# Altium PCB PMSM_Driver.PcbDoc (part 1 of 2)
Units mm, origin at the board's own origin, x right, y up, seen from the top; angles counter-clockwise.
Board outline 245.25 x 200.25 mm, 2 copper layers (Top Layer, Bottom Layer), stack 1.371 mm thick; 369 components, 141 nets, 782 pads, 0 vias.
Unrouted connection lines stored in the file: 623.
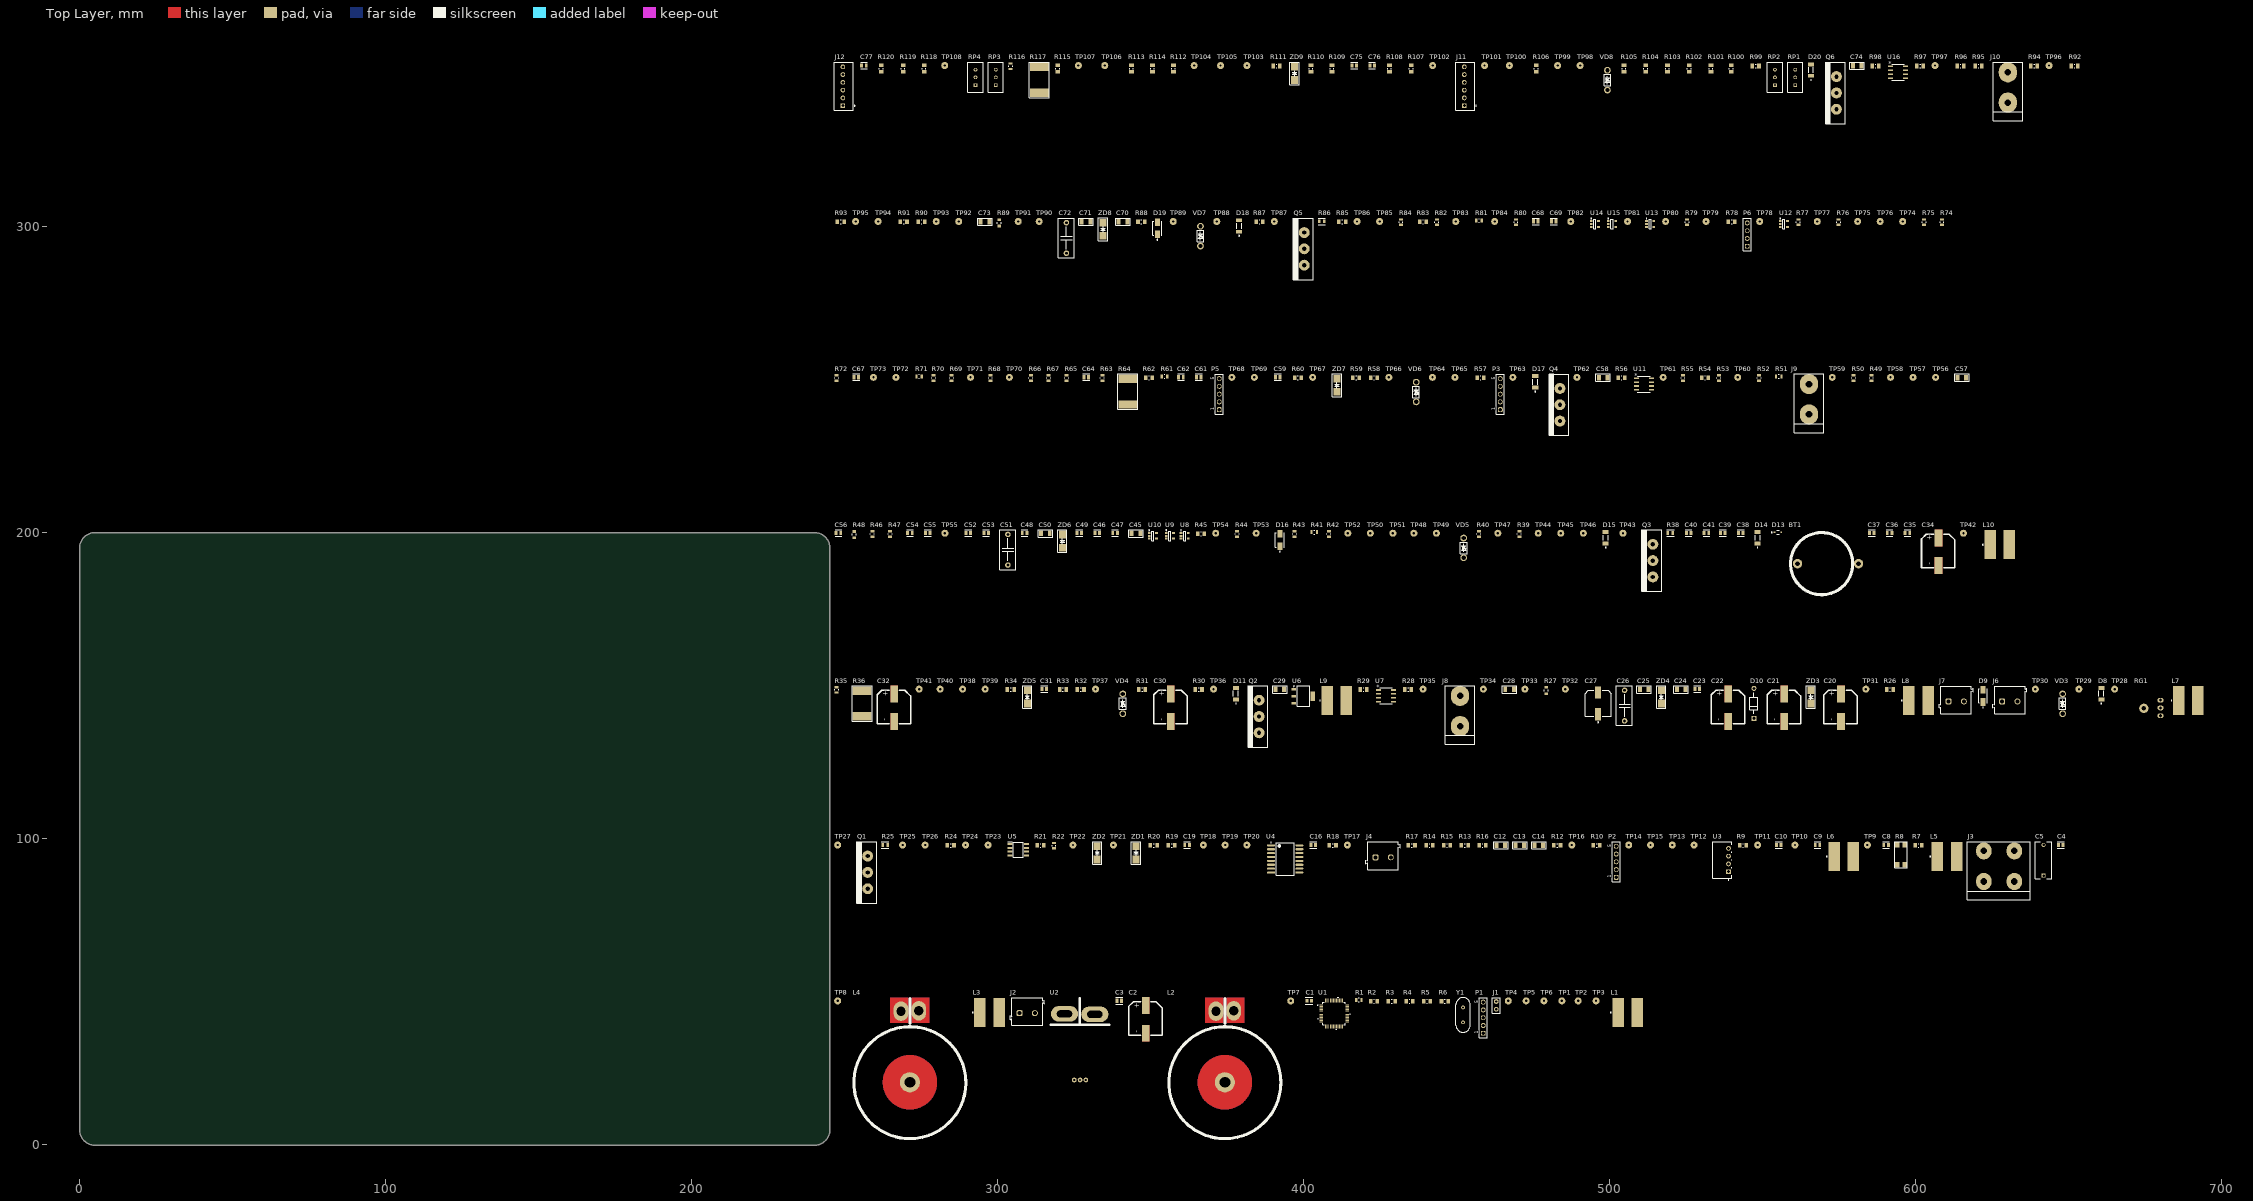
[diagram p0: Top Layer view]
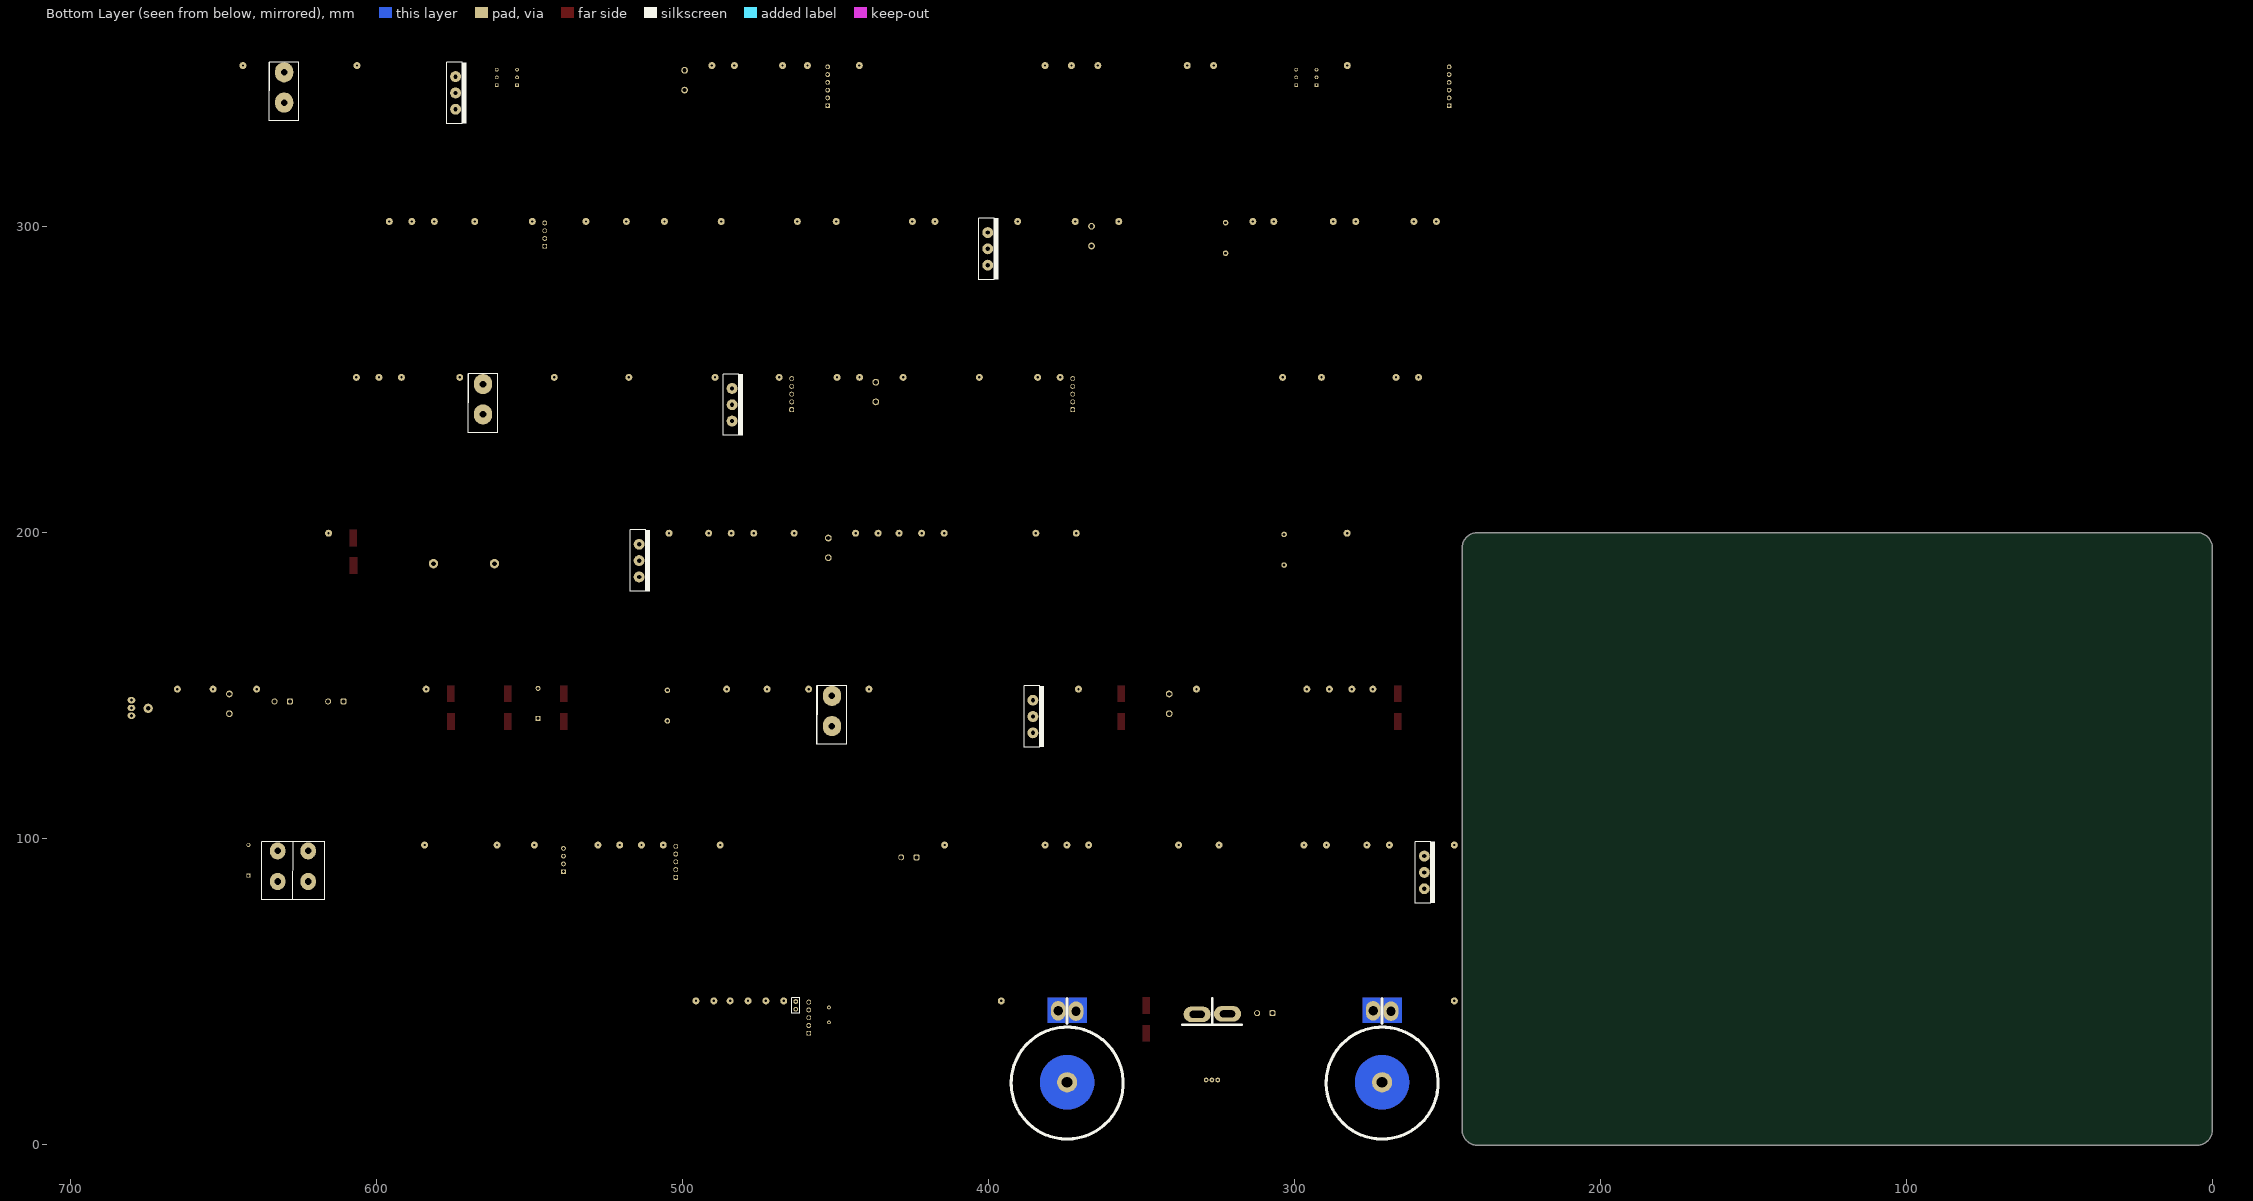
[diagram p1: Bottom Layer view, seen from below]

## Layer stack, top to bottom
Top Solder: solder mask 0.0102, Solder Resist, Dk 3.5
Top Layer: signal copper 0.0356
Dielectric 1: dielectric 1.3, FR-4, Dk 4.8
Bottom Layer: signal copper 0.0356
Bottom Solder: solder mask 0.0102, Solder Resist, Dk 3.5

## Board outline
-0.127,4.914 -0.127,4.968 cw(c5.003,5) -0.127,5 cw(c0,5) -0.127,5.005 -0.127,194.914 cw(c0,194.914) -0.12,194.957 cw(c0,195) -0.127,195 cw(c5,195) 5,200.127 cw(c5,200) 5.003,200.127 240.026,200.127 cw(c240.027,200) 240.027,200.127 cw(c240,195) 245.126,195.136 cw(c245,195.115) 245.127,195.115 245.127,5.115 cw(c245,5.115) 245.114,5.057 cw(c245,5) 245.127,5 cw(c240,5) 240,-0.127 cw(c240,0) 239.998,-0.127 5,-0.127 cw(c5,5) -0.126,4.899 cw(c0,4.914)

## Design rules (kind name [scope] priority, off if disabled: settings)
Clearance HV [InNetClass('All Nets') vs InNetClass('HV')] p1: gap=0.2 ignorepadtopadclearanceinfootprint=TRUE except(0: Text-Text Text-Hole; 0.4: THPad-THPad THPad-Via THPad-Fill THPad-Poly THPad-Region THPad-Text THPad-Hole Via-Via Via-Fill Via-Poly Via-Region Via-Text Via-Hole; 0.5: SMDPad-SMDPad SMDPad-THPad SMDPad-Via SMDPad-Fill SMDPad-Poly SMDPad-Region SMDPad-Text SMDPad-Hole Fill-Fill Fill-Poly Fill-Region Fill-Text Fill-Hole Poly-Poly Poly-Region Poly-Text Poly-Hole Region-Region Region-Text Region-Hole)
Clearance Clearance_1 [All] p2: gap=0.18 ignorepadtopadclearanceinfootprint=TRUE
Clearance GND [InNet('GND')] p3: gap=0.4 ignorepadtopadclearanceinfootprint=TRUE except(0.3: Text-Text Text-Hole)
ComponentClearance [All] p1: gap=-2.254 collisioncheckmode=3 verticalgap=0.254 showdistances=FALSE
DiffPairsRouting [All] p1: maxlimit=0.254 minlimit=0.1 mostfreqgap=0.254 toplayer_minwidth=0.3 toplayer_maxwidth=2 toplayer_prefwidth=0.3 bottomlayer_minwidth=0.3 bottomlayer_maxwidth=2 bottomlayer_prefwidth=0.3 maxuncoupledlength=12.7
Height [All] p1: minheight=0 maxheight=55.4 prefheight=12.7
HoleSize [All] p1: absolutevalues=TRUE maxlimit=5 minlimit=0.025 maxpercent=80.000 minpercent=20.000
HoleToHoleClearance [All] p1: gap=0 allowstackedmicrovias=TRUE
LayerPairs [All] p1 off: enforce=TRUE
MinimumSolderMaskSliver [All] p1: minsoldermaskwidth=0.01
PlaneClearance [All] p1: clearance=0.4
PlaneConnect [All] p1: planeconnectstyle=Direct reliefexpansion=0.508 reliefentries=4 reliefconductorwidth=0.254 reliefairgap=0.254
PolygonConnect [All] p1: connectstyle=Direct reliefconductorwidth=0.254 reliefentries=4 polygonreliefangle="90 Angle" airgapwidth=0.254
RoomDefinition PMSM_Driver [InComponentClass('PMSM_Driver')] p1: confinementstyle=ConfineIn formatcopy=TRUE lockcomponents=FALSE outline 246.269,1.281 694.449,1.281 694.449,356.66 246.269,356.66
RoutingCorners [All] p1: cornerstyle=45-Degree minsetback=0.2 maxsetback=0.2
RoutingVias [All] p1: holewidth=0.4 width=0.8 viastyle="Through Hole" minholewidth=0.254 minwidth=0.5 maxholewidth=0.75 maxwidth=1.5
ShortCircuit [All] p1: allowed=TRUE
SilkToSilkClearance [All] p1 off: silktosilkclearance=0.01
SilkToSolderMaskClearance [All] p1: minsilkscreentomaskgap=0 clearancetoexposedcopper=FALSE
SolderMaskExpansion [All] p1: expansion=0 istentingtop=FALSE
UnRoutedNet [All] p1: checkbadconnections=TRUE
Width [All] p1: maxlimit=10 minlimit=0.254 preferedwidth=2
16 further rules are at their usual default settings.

## Classes and differential pairs
net class HV: NetC24_1 NetC45_1 NetC70_1 NetJ1_1 NetJ2_1 NetJ3_2 NetR8_1 V_BAT V_PS

## Components (designator, comment, footprint, x,y, rotation, side; value= is the part's Value field where it differs from the comment)
BT1 "CR2032_BAT" CR2032_BAT 569.239,189.971 r0 top
C1 "16pF" FP-GRM21B-0_1-IPC_C 401.719,47.111 r0 top
C2 "1000uF_10V" 1000uF_10V_Size_F 348.329,41.011 r90 top
C3 "C0805C224K5RACTU" FP-C0805C-DN-MFG 339.689,47.111 r0 top value="0.22 μF"
C4 "16pF" FP-GRM21B-0_1-IPC_C 647.399,98.061 r0 top
C5 "ECQ-E2224JFW" FP-ECQ-E2224JFW-MFG 641.769,93.031 r90 top
C8 "C0805C224K5RACTU" FP-C0805C-DN-MFG 590.299,98.061 r0 top value="0.22 μF"
C9 "0.22 UF" FP-C0805C-DN-MFG 567.889,98.061 r0 top value="0.22 μF"
C10 "C0805C224K5RACTU" FP-C0805C-DN-MFG 555.199,98.061 r0 top value="0.22 μF"
C12 "1000pF" CAP-1206 464.379,97.931 r0 top
C13 "1000pF" CAP-1206 470.599,97.931 r0 top
C14 "1000pF" CAP-1206 476.819,97.931 r0 top
C16 "2.2uF" FP-C0805C-DN-MFG 403.119,98.061 r0 top value="0.22 μF"
C19 "2.2uF" FP-C0805C-DN-MFG 361.829,98.061 r0 top value="0.22 μF"
C20 "1000uF_10V" 1000uF_10V_Size_F 575.579,142.911 r90 top
C21 "1000uF_10V" 1000uF_10V_Size_F 557.039,142.911 r90 top
C22 "1000uF_10V" 1000uF_10V_Size_F 538.749,142.911 r90 top
C23 "C0805C224K5RACTU" FP-C0805C-DN-MFG 528.579,149.011 r0 top value="0.22 μF"
C24 "1000pF" CAP-1206 523.329,148.881 r0 top
C25 "CAP-NON-POLAR" CAP-1206 511.259,148.881 r0 top
C26 "CAP-NON-POLAR" "MKP 100nF 275VAC" 504.849,143.571 r90 top
C27 "EEE-1HA101UP" FP-SF-MFG 496.189,144.281 r90 top value=100uF
C28 "CAP-NON-POLAR" CAP-1206 467.259,148.881 r0 top
C29 "1000pF" CAP-1206 392.159,148.881 r0 top
C30 "1000uF_10V" 1000uF_10V_Size_F 356.539,142.911 r90 top
C31 "C0805C224K5RACTU" FP-C0805C-DN-MFG 315.159,149.011 r0 top value="0.22 μF"
C32 "1000uF_10V" 1000uF_10V_Size_F 266.159,142.911 r90 top
C34 "1000uF_10V" 1000uF_10V_Size_F 607.459,193.861 r90 top
C35 "C0805C224K5RACTU" FP-C0805C-DN-MFG 597.289,199.961 r0 top value="0.22 μF"
C36 "C0805C224K5RACTU" FP-C0805C-DN-MFG 591.449,199.961 r0 top value="0.22 μF"
C37 "C0805C224K5RACTU" FP-C0805C-DN-MFG 585.609,199.961 r0 top value="0.22 μF"
C38 "C0805C224K5RACTU" FP-C0805C-DN-MFG 542.769,199.961 r0 top value="0.22 μF"
C39 "C0805C224K5RACTU" FP-C0805C-DN-MFG 536.929,199.961 r0 top value="0.22 μF"
C40 "C0805C224K5RACTU" FP-C0805C-DN-MFG 525.759,199.961 r0 top value="0.22 μF"
C41 "C0805C224K5RACTU" FP-C0805C-DN-MFG 531.599,199.961 r0 top value="0.22 μF"
C45 "1000pF" CAP-1206 345.129,199.831 r0 top
C46 "C0805C224K5RACTU" FP-C0805C-DN-MFG 332.479,199.961 r0 top value="0.22 μF"
C47 "0.22uF" FP-C0805C-DN-MFG 338.319,199.961 r0 top value="0.22 μF"
C48 "C0805C224K5RACTU" FP-C0805C-DN-MFG 308.739,199.961 r0 top value="0.22 μF"
C49 "0.22uF" FP-C0805C-DN-MFG 326.639,199.961 r0 top value="0.22 μF"
C50 "CAP-NON-POLAR" CAP-1206 315.539,199.831 r0 top
C51 "CAP-NON-POLAR" "MKP 100nF 275VAC" 303.289,194.521 r90 top
C52 "C0805C224K5RACTU" FP-C0805C-DN-MFG 290.319,199.961 r0 top value="0.22 μF"
C53 "0.22uF" FP-C0805C-DN-MFG 296.159,199.961 r0 top value="0.22 μF"
C54 "C0805C224K5RACTU" FP-C0805C-DN-MFG 271.279,199.961 r0 top value="0.22 μF"
C55 "C0805C224K5RACTU" FP-C0805C-DN-MFG 277.119,199.961 r0 top value="0.22 μF"
C56 "C0805C224K5RACTU" FP-C0805C-DN-MFG 247.909,199.961 r0 top value="0.22 μF"
C57 "CAP-NON-POLAR" CAP-1206 615.069,250.78 r0 top
C58 "1000pF" CAP-1206 497.859,250.78 r0 top
C59 "C0805C224K5RACTU" FP-C0805C-DN-MFG 391.459,250.91 r0 top value="0.22 μF"
C61 "C0805C224K5RACTU" FP-C0805C-DN-MFG 365.689,250.91 r0 top value="0.22 μF"
C62 "C0805C224K5RACTU" FP-C0805C-DN-MFG 359.849,250.91 r0 top value="0.22 μF"
C64 "C0805C224K5RACTU" FP-C0805C-DN-MFG 328.919,250.91 r0 top value="0.22 μF"
C67 "C0805C224K5RACTU" FP-C0805C-DN-MFG 253.749,250.91 r0 top value="0.22 μF"
C68 "C0805C224K5RACTU" FP-C0805C-DN-MFG 475.819,301.86 r0 top value="0.22 μF"
C69 "2.2uF" FP-C0805C-DN-MFG 481.669,301.86 r0 top value="0.22 μF"
C70 "1000pF" CAP-1206 340.879,301.73 r0 top
C71 "CAP-NON-POLAR" CAP-1206 328.819,301.73 r0 top
C72 "CAP-NON-POLAR" "MKP 100nF 275VAC" 322.409,296.42 r90 top
C73 "CAP-NON-POLAR" CAP-1206 295.809,301.73 r0 top
C74 "1000pF" CAP-1206 580.869,352.68 r0 top
C75 "C0805C224K5RACTU" FP-C0805C-DN-MFG 416.469,352.81 r0 top value="0.22 μF"
C76 "C0805C224K5RACTU" FP-C0805C-DN-MFG 422.319,352.81 r0 top value="0.22 μF"
C77 "C0805C224K5RACTU" FP-C0805C-DN-MFG 256.229,352.81 r0 top value="0.22 μF"
D8 "LL4448-GS08" FP-6_560-5005_01-4-MFG 660.649,147.481 r90 top value=4pF
D9 "US1G-13-F" FP-SMA-MFG 621.979,146.751 r90 top value=20pF
D10 "BZX85C15-TAP" FP-6_561-5001_02-4-MFG 547.119,144.311 r90 top
D11 "LL4448-GS08" FP-6_560-5005_01-4-MFG 377.809,147.481 r90 top value=4pF
D13 "BZX384-C5V1,115" FP-SOD323-MFG 554.939,200.211 r0 top
D14 "LL4448-GS08" FP-6_560-5005_01-4-MFG 548.309,198.431 r90 top value=4pF
D15 "LL4448-GS08" FP-6_560-5005_01-4-MFG 498.659,198.431 r90 top value=4pF
D16 "US1G-13-F" FP-SMA-MFG 392.189,197.701 r90 top value=20pF
D17 "LL4448-GS08" FP-6_560-5005_01-4-MFG 475.629,249.38 r90 top value=4pF
D18 "LL4448-GS08" FP-6_560-5005_01-4-MFG 378.869,300.33 r90 top value=4pF
D19 "US1G-13-F" FP-SMA-MFG 352.139,299.6 r90 top value=20pF
D20 "LL4448-GS08" FP-6_560-5005_01-4-MFG 565.759,351.28 r90 top value=4pF
J1 "Jumper 1x2.54" Jumper_2.54 462.889,44.361 r90 top
J2 "691101710002" 691101710002 309.599,43.551 r0 top
J3 "TL-800" Conn_Tianli_T-800 627.249,91.101 r0 top
J4 "691101710002" 691101710002 425.919,94.501 r0 top
J6 "691101710002" 691101710002 630.739,145.451 r0 top
J7 "691101710002" 691101710002 613.219,145.451 r0 top
J8 "MG_136_HT" Conn_MEIGAN_MG136HT 451.069,139.401 r0 top
J9 "MG_136_HT" Conn_MEIGAN_MG136HT 565.109,241.3 r0 top
J10 "MG_136_HT" Conn_MEIGAN_MG136HT 630.109,343.2 r0 top
J11 "SWR25X-NRTC-S06-ST-BA" Sullins_SWR25X-NRTC-S06-ST-BA_MFG 452.749,346 r90 top
J12 "SWR25X-NRTC-S06-ST-BA" Sullins_SWR25X-NRTC-S06-ST-BA_MFG 249.649,346 r90 top
L1 "744776227" WE-PD2_1054 1775.846,1313.318 r0 top
L2 "Coil" Coil_drosel 384.359,15.001 r0 top
L3 "744776227" WE-PD2_1054 1567.277,1313.318 r0 top
L4 "Coil" Coil_drosel 281.419,15.001 r0 top
L5 "744776227" WE-PD2_1054 1880.206,1364.268 r0 top
L6 "744776227" WE-PD2_1054 1846.446,1364.268 r0 top
L7 "744776227" WE-PD2_1054 1959.096,1415.218 r0 top
L8 "744776227" WE-PD2_1054 1870.896,1415.218 r0 top
L9 "744776227" WE-PD2_1054 1680.777,1415.218 r0 top
L10 "744776227" WE-PD2_1054 1897.436,1466.168 r0 top
P1 "61300511121" 61300511121 458.639,41.571 r90 top
P2 "61300511121" 61300511121 502.099,92.521 r90 top
P3 "61300511121" 61300511121 464.219,245.37 r90 top
P5 "61300511121" 61300511121 372.379,245.37 r90 top
P6 "TSW-104-08-G-S" SMTC-TSW-104-08-X-S 544.939,293.7 r90 top
Q1 "F60N120T" TO-264-3 256.819,89.061 r90 top
Q2 "F60N120T" TO-264-3 384.729,140.011 r90 top
Q3 "F60N120T" TO-264-3 513.449,190.961 r90 top
Q4 "F60N120T" TO-264-3 483.059,241.91 r90 top
Q5 "F60N120T" TO-264-3 399.509,292.86 r90 top
Q6 "F60N120T" TO-264-3 573.439,343.81 r90 top
R1 "220" Yageo_RC0805_IPC_C 417.989,47.391 r0 top
R2 "220" Yageo_RC0805_IPC_A 422.969,46.931 r0 top
R3 "220" Yageo_RC0805_IPC_A 428.739,46.931 r0 top
R4 "220" Yageo_RC0805_IPC_A 434.519,46.931 r0 top
R5 "220" Yageo_RC0805_IPC_A 440.299,46.931 r0 top
R6 "220" Yageo_RC0805_IPC_A 446.079,46.931 r0 top
R7 "100 K" Yageo_RC0805_IPC_A 600.929,97.881 r0 top
R8 "4.7K" RES-2512 595.249,94.881 r90 top
R9 "10K" Yageo_RC0805_IPC_A 543.559,97.881 r0 top
R10 "47K" Yageo_RC0805_IPC_A 495.709,97.881 r0 top
R12 "10 K" Yageo_RC0805_IPC_A 482.819,97.881 r0 top
R13 "10 K" Yageo_RC0805_IPC_A 452.599,97.881 r0 top
R14 "10 K" Yageo_RC0805_IPC_A 441.039,97.881 r0 top
R15 "10K" Yageo_RC0805_IPC_A 446.819,97.881 r0 top
R16 "10K" Yageo_RC0805_IPC_A 458.379,97.881 r0 top
R17 "1K" Yageo_RC0805_IPC_A 435.269,97.881 r0 top
R18 "100" Yageo_RC0805_IPC_A 409.449,97.881 r0 top
R19 "1K" Yageo_RC0805_IPC_A 356.799,97.881 r0 top
R20 "100" Yageo_RC0805_IPC_A 350.949,97.881 r0 top
R21 "220" Yageo_RC0805_IPC_A 313.939,97.881 r0 top
R22 "10K" Yageo_RC0805_IPC_C 318.359,97.781 r90 top
R24 "10 K" Yageo_RC0805_IPC_A 284.589,97.881 r0 top
R25 "10 OHM" FP-RT0805-IPC_C 263.179,98.061 r0 top value=10Ω
R26 "1K" Yageo_RC0805_IPC_A 591.549,148.831 r0 top
R27 "10 OHM" FP-RT0805-MFG 479.249,148.501 r90 top value=10Ω
R28 "10K" Yageo_RC0805_IPC_A 434.109,148.831 r0 top
R29 "10K" Yageo_RC0805_IPC_A 419.529,148.831 r0 top
R30 "10 OHM" Yageo_RC0805_IPC_A 365.649,148.831 r0 top
R31 "220" Yageo_RC0805_IPC_A 347.169,148.831 r0 top
R32 "10 OHM" Yageo_RC0805_IPC_A 327.079,148.831 r0 top
R33 "1K" Yageo_RC0805_IPC_A 321.239,148.831 r0 top
R34 "10 K" Yageo_RC0805_IPC_A 304.219,148.831 r0 top
R35 "1K" Yageo_RC0805_IPC_C 247.299,148.731 r90 top
R36 "RES-CONST" RES-3921 255.639,144.281 r90 top
R38 "10 OHM" FP-RT0805-IPC_C 519.809,199.961 r0 top value=10Ω
R39 "10K" Yageo_RC0805_IPC_C 470.419,199.681 r90 top
R40 "10K" Yageo_RC0805_IPC_C 457.219,199.681 r90 top
R41 "1K" Yageo_RC0805_IPC_C 403.409,200.241 r0 top
R42 "10K" Yageo_RC0805_IPC_C 408.179,199.681 r90 top
R43 "1K" Yageo_RC0805_IPC_C 397.009,199.681 r90 top
R44 "1K" Yageo_RC0805_IPC_C 378.219,199.681 r90 top
R45 "1K" Yageo_RC0805_IPC_A 366.359,199.781 r0 top
R46 "10K" Yageo_RC0805_IPC_C 258.989,199.681 r90 top
R47 "10K" Yageo_RC0805_IPC_C 264.829,199.681 r90 top
R48 "10 OHM" FP-RT0805-MFG 253.119,199.451 r90 top value=10Ω
R49 "10K" Yageo_RC0805_IPC_C 585.559,250.63 r90 top
R50 "10K" Yageo_RC0805_IPC_C 579.719,250.63 r90 top
R51 "10K" Yageo_RC0805_IPC_C 555.229,251.19 r0 top
R52 "10K" Yageo_RC0805_IPC_C 548.829,250.63 r90 top
R53 "10K" Yageo_RC0805_IPC_C 535.629,250.63 r90 top
R54 "10K" Yageo_RC0805_IPC_A 531.129,250.73 r0 top
R55 "10K" Yageo_RC0805_IPC_C 523.939,250.63 r90 top
R56 "10K" Yageo_RC0805_IPC_A 503.849,250.73 r0 top
R57 "10 OHM" Yageo_RC0805_IPC_A 457.759,250.73 r0 top
R58 "10 OHM" Yageo_RC0805_IPC_A 422.949,250.73 r0 top
R59 "1K" Yageo_RC0805_IPC_A 417.099,250.73 r0 top
R60 "33K" Yageo_RC0805_IPC_A 398.049,250.73 r0 top
R61 "10K" Yageo_RC0805_IPC_C 354.469,251.19 r0 top
R62 "33K" Yageo_RC0805_IPC_A 349.419,250.73 r0 top
R63 "1K" Yageo_RC0805_IPC_C 334.149,250.63 r90 top
R64 "RES-CONST" RES-3921 342.489,246.18 r90 top
R65 "10K" Yageo_RC0805_IPC_C 322.469,250.63 r90 top
R66 "100K" Yageo_RC0805_IPC_C 310.789,250.63 r90 top
R67 "10K" Yageo_RC0805_IPC_C 316.629,250.63 r90 top
R68 "100K" Yageo_RC0805_IPC_C 297.589,250.63 r90 top
R69 "100K" Yageo_RC0805_IPC_C 284.889,250.63 r90 top
R70 "100K" Yageo_RC0805_IPC_C 279.049,250.63 r90 top
R71 "100K" Yageo_RC0805_IPC_C 274.269,251.19 r0 top
R72 "100K" Yageo_RC0805_IPC_C 247.299,250.63 r90 top
R74 "100K" Yageo_RC0805_IPC_C 608.589,301.58 r90 top
R75 "10K" Yageo_RC0805_IPC_C 602.749,301.58 r90 top
R76 "10K" Yageo_RC0805_IPC_C 574.809,301.58 r90 top
R77 "100K" Yageo_RC0805_IPC_C 561.609,301.58 r90 top
R78 "33K" Yageo_RC0805_IPC_A 539.829,301.68 r0 top
R79 "1K" Yageo_RC0805_IPC_C 525.269,301.58 r90 top
R80 "1K" Yageo_RC0805_IPC_C 469.369,301.58 r90 top
R81 "1K" Yageo_RC0805_IPC_C 457.239,302.14 r0 top
R82 "10K" Yageo_RC0805_IPC_C 443.469,301.58 r90 top
R83 "33K" Yageo_RC0805_IPC_A 438.979,301.68 r0 top
R84 "100K" Yageo_RC0805_IPC_C 431.779,301.58 r90 top
R85 "33K" Yageo_RC0805_IPC_A 412.559,301.68 r0 top
R86 "10 OHM" FP-RT0805-IPC_C 405.879,301.86 r0 top value=10Ω
R87 "33K" Yageo_RC0805_IPC_A 385.509,301.68 r0 top
R88 "1K" Yageo_RC0805_IPC_A 346.879,301.68 r0 top
R89 "10 OHM" FP-RT0805-MFG 300.429,301.35 r90 top value=10Ω
R90 "RC0805FR-07100KL" Yageo_RC0805_IPC_A 275.009,301.68 r0 top
R91 "RC0805FR-07100KL" Yageo_RC0805_IPC_A 269.229,301.68 r0 top
R92 "RC0805FR-07100KL" Yageo_RC0805_IPC_A 651.919,352.63 r0 top
R93 "RC0805FR-07100KL" Yageo_RC0805_IPC_A 248.659,301.68 r0 top
R94 "33K" Yageo_RC0805_IPC_A 638.709,352.63 r0 top
R95 "RC0805FR-07100KL" Yageo_RC0805_IPC_A 620.509,352.63 r0 top
R96 "RC0805FR-07100KL" Yageo_RC0805_IPC_A 614.659,352.63 r0 top
R97 "10K" Yageo_RC0805_IPC_A 601.449,352.63 r0 top
R98 "10K" Yageo_RC0805_IPC_A 586.869,352.63 r0 top
R99 "RC0805FR-07100KL" Yageo_RC0805_IPC_A 547.699,352.63 r0 top
R100 "RC0805FR-07100KL" Yageo_RC0805_IPC_A 539.699,351.74 r90 top
R101 "RC0805FR-07100KL" Yageo_RC0805_IPC_A 533.089,351.74 r90 top
R102 "RC0805FR-07100KL" Yageo_RC0805_IPC_A 525.979,351.74 r90 top
R103 "10 OHM" Yageo_RC0805_IPC_A 518.869,351.74 r90 top
R104 "33K" Yageo_RC0805_IPC_A 511.759,351.74 r90 top
R105 "RC0805FR-07100KL" Yageo_RC0805_IPC_A 504.649,351.74 r90 top
R106 "RC0805FR-07100KL" Yageo_RC0805_IPC_A 475.939,351.74 r90 top
R107 "10 OHM" Yageo_RC0805_IPC_A 435.109,351.74 r90 top
R108 "1K" Yageo_RC0805_IPC_A 427.999,351.74 r90 top
R109 "RC0805FR-07100KL" Yageo_RC0805_IPC_A 409.209,351.74 r90 top
R110 "RC0805FR-07100KL" Yageo_RC0805_IPC_A 402.359,351.74 r90 top
R111 "RC0805FR-07100KL" Yageo_RC0805_IPC_A 391.059,352.63 r0 top
R112 "RC0805FR-07100KL" Yageo_RC0805_IPC_A 357.399,351.74 r90 top
R113 "RC0805FR-07100KL" Yageo_RC0805_IPC_A 343.689,351.74 r90 top
R114 "33K" Yageo_RC0805_IPC_A 350.549,351.74 r90 top
R115 "RC0805FR-07100KL" Yageo_RC0805_IPC_A 319.569,351.74 r90 top
R116 "1K" Yageo_RC0805_IPC_C 304.179,352.53 r90 top
R117 "RES-CONST" RES-3921 313.539,348.08 r90 top
R118 "33K" Yageo_RC0805_IPC_A 275.889,351.74 r90 top
R119 "RC0805FR-07100KL" Yageo_RC0805_IPC_A 269.029,351.74 r90 top
R120 "RC0805FR-07100KL" Yageo_RC0805_IPC_A 261.919,351.74 r90 top
RG1 "Reg_Fairchild_LM7805CT_eec" TO-220(bend_rad) 669.849,142.431 r90 top
RP1 "10k" Bourns_3296W_MFG 560.609,348.89 r0 top
RP2 "10k" Bourns_3296W_MFG 553.979,348.89 r0 top
RP3 "10k" Bourns_3296W_MFG 299.329,348.89 r0 top
RP4 "10k" Bourns_3296W_MFG 292.699,348.89 r0 top
TP1 "Test_Point_PCB" Test_Point 484.339,47.061 r0 top
TP2 "Test_Point_PCB" Test_Point 489.669,47.061 r0 top
TP3 "Test_Point_PCB" Test_Point 495.509,47.061 r0 top
TP4 "Test_Point_PCB" Test_Point 466.819,47.061 r0 top
TP5 "Test_Point_PCB" Test_Point 472.659,47.061 r0 top
TP6 "Test_Point_PCB" Test_Point 478.499,47.061 r0 top
TP7 "Test_Point_PCB" Test_Point 395.729,47.061 r0 top
TP8 "Test_Point_PCB" Test_Point 247.659,47.061 r0 top
TP9 "Test_Point_PCB" Test_Point 584.199,98.011 r0 top
TP10 "Test_Point_PCB" Test_Point 560.529,98.011 r90 top
TP11 "Test_Point_PCB" Test_Point 548.339,98.011 r90 top
TP12 "Test_Point_PCB" Test_Point 527.529,98.011 r90 top
TP13 "Test_Point_PCB" Test_Point 520.419,98.011 r90 top
TP14 "Test_Point_PCB" Test_Point 506.199,98.011 r90 top
TP15 "Test_Point_PCB" Test_Point 513.309,98.011 r90 top
TP16 "Test_Point_PCB" Test_Point 487.599,98.011 r90 top
TP17 "Test_Point_PCB" Test_Point 414.229,98.011 r90 top
TP18 "Test_Point_PCB" Test_Point 367.159,98.011 r90 top
TP19 "Test_Point_PCB" Test_Point 374.279,98.011 r90 top
TP20 "Test_Point_PCB" Test_Point 381.389,98.011 r90 top
TP21 "Test_Point_PCB" Test_Point 337.759,98.011 r90 top
TP22 "Test_Point_PCB" Test_Point 324.559,98.011 r90 top
TP23 "Test_Point_PCB" Test_Point 296.809,98.011 r90 top
TP24 "Test_Point_PCB" Test_Point 289.439,98.011 r90 top
TP25 "Test_Point_PCB" Test_Point 268.869,98.011 r90 top
TP26 "Test_Point_PCB" Test_Point 276.229,98.011 r90 top
TP27 "Test_Point_PCB" Test_Point 247.659,98.011 r90 top
TP28 "Test_Point_PCB" Test_Point 665.009,148.961 r90 top
TP29 "Test_Point_PCB" Test_Point 653.329,148.961 r90 top
TP30 "Test_Point_PCB" Test_Point 639.089,148.961 r90 top
TP31 "Test_Point_PCB" Test_Point 583.699,148.961 r90 top
TP32 "Test_Point_PCB" Test_Point 485.469,148.961 r90 top
TP33 "Test_Point_PCB" Test_Point 472.269,148.961 r90 top
TP34 "Test_Point_PCB" Test_Point 458.679,148.961 r90 top
TP35 "Test_Point_PCB" Test_Point 438.959,148.961 r90 top
TP36 "Test_Point_PCB" Test_Point 370.499,148.961 r90 top
TP37 "Test_Point_PCB" Test_Point 331.929,148.961 r90 top
TP38 "Test_Point_PCB" Test_Point 288.489,148.961 r90 top
TP39 "Test_Point_PCB" Test_Point 295.859,148.961 r90 top
TP40 "Test_Point_PCB" Test_Point 281.129,148.961 r90 top
TP41 "Test_Point_PCB" Test_Point 274.269,148.961 r90 top
TP42 "Test_Point_PCB" Test_Point 615.579,199.911 r90 top
TP43 "Test_Point_PCB" Test_Point 504.299,199.911 r90 top
TP44 "Test_Point_PCB" Test_Point 476.619,199.911 r90 top
TP45 "Test_Point_PCB" Test_Point 483.979,199.911 r90 top
TP46 "Test_Point_PCB" Test_Point 491.349,199.911 r90 top
TP47 "Test_Point_PCB" Test_Point 463.409,199.911 r90 top
TP48 "Test_Point_PCB" Test_Point 435.969,199.911 r90 top
TP49 "Test_Point_PCB" Test_Point 443.329,199.911 r90 top
TP50 "Test_Point_PCB" Test_Point 421.749,199.911 r90 top
TP51 "Test_Point_PCB" Test_Point 429.109,199.911 r90 top
TP52 "Test_Point_PCB" Test_Point 414.379,199.911 r90 top
TP53 "Test_Point_PCB" Test_Point 384.419,199.911 r90 top
TP54 "Test_Point_PCB" Test_Point 371.209,199.911 r90 top
TP55 "Test_Point_PCB" Test_Point 282.699,199.911 r90 top
TP56 "Test_Point_PCB" Test_Point 606.489,250.86 r90 top
TP57 "Test_Point_PCB" Test_Point 599.119,250.86 r90 top
TP58 "Test_Point_PCB" Test_Point 591.759,250.86 r90 top
TP59 "Test_Point_PCB" Test_Point 572.709,250.86 r90 top
TP60 "Test_Point_PCB" Test_Point 541.819,250.86 r90 top
TP61 "Test_Point_PCB" Test_Point 517.439,250.86 r90 top
TP62 "Test_Point_PCB" Test_Point 489.269,250.86 r90 top
TP63 "Test_Point_PCB" Test_Point 468.319,250.86 r90 top
TP64 "Test_Point_PCB" Test_Point 442.039,250.86 r90 top
TP65 "Test_Point_PCB" Test_Point 449.399,250.86 r90 top
TP66 "Test_Point_PCB" Test_Point 427.799,250.86 r90 top
TP67 "Test_Point_PCB" Test_Point 402.899,250.86 r90 top
TP68 "Test_Point_PCB" Test_Point 376.479,250.86 r90 top
TP69 "Test_Point_PCB" Test_Point 383.839,250.86 r90 top
TP70 "Test_Point_PCB" Test_Point 303.779,250.86 r90 top
TP71 "Test_Point_PCB" Test_Point 291.079,250.86 r90 top
TP72 "Test_Point_PCB" Test_Point 266.709,250.86 r90 top
TP73 "Test_Point_PCB" Test_Point 259.339,250.86 r90 top
TP74 "Test_Point_PCB" Test_Point 595.739,301.81 r90 top
TP75 "Test_Point_PCB" Test_Point 581.009,301.81 r90 top
TP76 "Test_Point_PCB" Test_Point 588.369,301.81 r90 top
TP77 "Test_Point_PCB" Test_Point 567.809,301.81 r90 top
TP78 "Test_Point_PCB" Test_Point 548.999,301.81 r90 top
TP79 "Test_Point_PCB" Test_Point 531.469,301.81 r90 top
TP80 "Test_Point_PCB" Test_Point 518.259,301.81 r90 top
TP81 "Test_Point_PCB" Test_Point 505.809,301.81 r90 top
TP82 "Test_Point_PCB" Test_Point 487.249,301.81 r90 top
TP83 "Test_Point_PCB" Test_Point 449.669,301.81 r90 top
TP84 "Test_Point_PCB" Test_Point 462.369,301.81 r90 top
TP85 "Test_Point_PCB" Test_Point 424.779,301.81 r90 top
TP86 "Test_Point_PCB" Test_Point 417.409,301.81 r90 top
TP87 "Test_Point_PCB" Test_Point 390.359,301.81 r90 top
TP88 "Test_Point_PCB" Test_Point 371.559,301.81 r90 top
TP89 "Test_Point_PCB" Test_Point 357.319,301.81 r90 top
TP90 "Test_Point_PCB" Test_Point 313.509,301.81 r90 top
TP91 "Test_Point_PCB" Test_Point 306.649,301.81 r90 top
TP92 "Test_Point_PCB" Test_Point 287.219,301.81 r90 top
TP93 "Test_Point_PCB" Test_Point 279.859,301.81 r90 top
TP94 "Test_Point_PCB" Test_Point 260.869,301.81 r90 top
TP95 "Test_Point_PCB" Test_Point 253.509,301.81 r90 top
TP96 "Test_Point_PCB" Test_Point 643.559,352.76 r90 top
TP97 "Test_Point_PCB" Test_Point 606.299,352.76 r90 top
TP98 "Test_Point_PCB" Test_Point 490.309,352.76 r90 top
TP99 "Test_Point_PCB" Test_Point 482.949,352.76 r90 top
TP100 "Test_Point_PCB" Test_Point 467.199,352.76 r90 top
TP101 "Test_Point_PCB" Test_Point 459.079,352.76 r90 top
TP102 "Test_Point_PCB" Test_Point 442.119,352.76 r90 top
TP103 "Test_Point_PCB" Test_Point 381.419,352.76 r90 top
TP104 "Test_Point_PCB" Test_Point 364.159,352.76 r90 top
TP105 "Test_Point_PCB" Test_Point 372.789,352.76 r90 top
TP106 "Test_Point_PCB" Test_Point 334.949,352.76 r90 top
TP107 "Test_Point_PCB" Test_Point 326.319,352.76 r90 top
TP108 "Test_Point_PCB" Test_Point 282.639,352.76 r90 top
U1 "STM32F303CCT6" LQFP48-7x7mm 409.899,42.941 r0 top
U2 "ACS758" ACS758-100 326.999,31.001 r0 top
U3 "B0505S-1WR3" FP-B0505S-1WR3-MFG 536.709,93.101 r90 top
U4 "ADUM1401BRWZ" ADI-RW-16_M 393.919,93.461 r0 top
U5 "MAX485ECSA+" SOIC127P600X175-8N 306.659,96.461 r0 top
U6 "LM1117MPX-3.3/NOPB" DCY0004A_L 399.829,146.641 r0 top
U7 "IR2181" SOIC8_INF-L 426.859,146.771 r0 top
U8 "MCP6001" SOT-23-5 361.059,199.071 r0 top
U9 "MCP6001" SOT-23-5 356.239,199.071 r0 top
U10 "MCP6001" SOT-23-5 350.649,199.071 r0 top
U11 "IR2181" SOIC8_INF-L 511.179,248.67 r0 top
U12 "MCP6001" SOT-23-5 556.889,300.97 r0 top
U13 "MCP6001" SOT-23-5 513.179,300.97 r0 top
U14 "MCP6001" SOT-23-5 495.129,300.97 r0 top
U15 "MCP6001" SOT-23-5 500.729,300.97 r0 top
U16 "IR2181" SOIC8_INF-L 594.199,350.57 r0 top
VD3 "DIODE" DO201AB 647.999,144.591 r90 top
VD4 "DIODE" DO201AB 340.849,144.591 r90 top
VD5 "DIODE" DO201AB 452.239,195.541 r90 top
VD6 "DIODE" DO201AB 436.709,246.49 r90 top
VD7 "DIODE" DO201AB 366.229,297.44 r90 top
VD8 "DIODE" DO201AB 499.219,348.39 r90 top
Y1 "FOXSLF/120-20" FOX-FOXSLF-2_V 452.049,42.481 r90 top
ZD1 "P6SMB16CA" DO-214AA 345.179,95.441 r90 top
ZD2 "P6SMB16CA" DO-214AA 332.479,95.441 r90 top
ZD3 "P6SMB16CA" DO-214AA 565.719,146.391 r90 top
ZD4 "P6SMB16CA" DO-214AA 516.829,146.391 r90 top
ZD5 "P6SMB16CA" DO-214AA 309.629,146.391 r90 top
ZD6 "P6SMB16CA" DO-214AA 321.099,197.341 r90 top
ZD7 "P6SMB16CA" DO-214AA 410.819,248.29 r90 top
ZD8 "P6SMB16CA" DO-214AA 334.379,299.24 r90 top
ZD9 "P6SMB16CA" DO-214AA 396.969,350.19 r90 top

## Footprints (in the part's own frame and the unit in brackets; to place one, negate y for a bottom-side part, rotate by r counter-clockwise, add the part's x,y. Pads: shape width x height; smd on the part's side, far side on the other; paste and mask are expansions set on the pad)
1000uF_10V_Size_F [mm]
  rect 5.5x2.5 smd: 1(4.5,0) 2(-4.5,0)
  Top Layer region: -7.25,-1.25 -1.75,-1.25 -1.75,1.25 -7.25,1.25
  Top Layer region: 1.778,-1.27 7.278,-1.27 7.278,1.23 1.778,1.23
  silkscreen extent -5.21,-5.33 5.71,5.59, body extent -5.85,-5.15 5.85,5.15, height 10.32
61300511121 [mm] "Pin Header, pitch 2.54 mm, THT, Vertical, single row, 5p"
  rrect50% 1.6x1.6 hole 1.1: 1(-5.08,0)
  round 1.6 hole 1.1: 2(-2.54,0) 3(0,0) 4(2.54,0) 5(5.08,0)
  silkscreen extent -6.5,-1.35 6.5,1.35, body extent -6.35,-1.27 6.35,1.27, height 8.57
691101710002 [mm] "5,00mm - modular - blue - Horizontal entry with pressure clamp - 12,6mm height - 02p"
  rrect50% 1.95x1.95 hole 1.3: 1(-2.5,-0.5)
  round 1.95 hole 1.3: 2(2.5,-0.5)
  silkscreen extent -5.6,-4.5 5.6,4.5, body extent -5.6,-4.5 5.6,4.5, height 12.65
ACS758-100 [mil]
  round 60 hole 30: 1(-80,-385) 2(-5,-385) 3(70,-385)
  oval 350x200 hole 90 slot 195 at 0 deg: 4(185,460) 5(-205,465)
  silkscreen extent -385,325 370,665, body extent -281,-404 271,492, height 280
ADI-RW-16_M [mm] "SOIC, 16-Leads, Body 10.3x7.5mm, Pitch 1.27mm, IPC Low Density"
  oval 2.6x0.7 smd: 1(-4.625,4.445) 2(-4.625,3.175) 3(-4.625,1.905) 4(-4.625,0.635) 5(-4.625,-0.635) 6(-4.625,-1.905) 7(-4.625,-3.175) 8(-4.625,-4.445) 9(4.625,-4.445) 10(4.625,-3.175) 11(4.625,-1.905) 12(4.625,-0.635) 13(4.625,0.635) 14(4.625,1.905) 15(4.625,3.175) 16(4.625,4.445)
  silkscreen extent -4.75,-5.25 2.93,5.47, body extent -3.8,-5.25 3.8,5.25, height 2.65
Bourns_3296W_MFG [mm]
  rect 1.2x1.2 hole 0.7 paste-1000 mask+0: 1(0.005,-2.54)
  round 1.2 hole 0.7 paste-1000 mask+0: 2(0.005,0) 3(0.005,2.54)
  silkscreen extent -2.48,-4.89 2.48,4.89, body extent -2.58,-4.99 2.58,4.99, height 0.25
CAP-1206 [mm]
  rect 1.3x1.8 smd: 1(-1.425,0) 2(1.425,0)
  silkscreen extent -2.37,-1.2 2.37,1.2, body extent -1.68,-0.87 1.67,0.87, height 0.95
Coil_drosel [mil]
  oval 190x250 hole 120: 1(-515,1130) 2(-285,1135)
  round 260 hole 140: GND(-400,215)
  Top Layer circle w300: c-400,215 r199.81
  Top Layer region: -655,975 -420,975 -420,1305 -655,1305
  Top Layer region: -380,975 -145,975 -145,1305 -380,1305
  Bottom Layer circle w300: c-400,215 r199.81
  Bottom Layer region: -655,975 -420,975 -420,1305 -655,1305
  Bottom Layer region: -380,975 -145,975 -145,1305 -380,1305
  silkscreen extent -1120,-510 320,1290, body extent -1148,-535 348,1175, height 826
Conn_MEIGAN_MG136HT [mm]
  oval 6x6.6 hole 2.159: 1(0,-2.54) 1(0,7.366)
  silkscreen extent -4.83,-8.51 4.83,10.67, body extent -6,-8.55 5,9.95, height 30.95
Conn_Tianli_T-800 [mm]
  oval 5.08x5.588 hole 2.159: 1(-5,-5) 1(-5,5) 2(5,-5) 2(5,5)
  silkscreen extent -10.41,-11.05 10.16,8, body extent -10.25,-11.3 10.25,7.55, height 30.75
CR2032_BAT [mil]
  round 120 hole 60: 1(-310,0) 2(475,0)
  silkscreen extent -400,-400 400,400, body extent -432,-435 525,439, height 350
DCY0004A_L [mm] "SOT223, 4-Leads, Body 6.7x3.7mm, Pitch 2.3mm, IPC High Density"
  rrect11% 1.45x0.9 smd: 1(-3.075,2.3) 2(-3.075,0) 3(-3.075,-2.3)
  rrect7% 1.45x3.15 smd: 4(3.075,0)
  silkscreen extent -3.2,-3.35 2.05,3.42, body extent -3.5,-3.25 3.5,3.25, height 1.62
DO201AB [mm]
  round 2.2 hole 1.4: 1(-3.65,0) 2(2.8,0)
  silkscreen extent -2.28,-1.1 1.48,1.1, body extent -4.29,-2.8 5.6,2.8, height 15.69
DO-214AA [mm]
  rect 2.5x2.3 smd: 1(-2.15,0) 2(2.15,0)
  silkscreen extent -3.7,-1.5 3.7,1.5, body extent -2.65,-1.81 2.65,1.81, height 2.5
FOX-FOXSLF-2_V [mm] "THD, 2-Leads, Body 11.35x4.65mm, Pitch 4.88mm"
  round 1.2 hole 0.7: 1(-2.44,0) 2(2.44,0)
  silkscreen extent -5.68,-2.32 5.68,2.32, body extent -5.67,-2.32 5.68,2.32, height 3.6
FP-6_560-5005_01-4-MFG [mm]
  rect 1.25x2 smd paste+0 mask+0: 1(-1.875,0) 2(1.875,0)
  silkscreen extent -3.32,-0.8 0.87,0.8, body extent -2.6,-1.1 2.6,1.1, height 0.25
FP-6_561-5001_02-4-MFG [mm]
  rect 1.6x1.6 hole 1.05 paste-1000 mask+0: 1(-4.888,0)
  round 1.6 hole 1.05 paste-1000 mask+0: 2(4.888,0)
  silkscreen extent -3.45,-1.3 3.45,1.3, body extent -5.79,-1.4 5.79,1.4, height 0.25
FP-B0505S-1WR3-MFG [mm]
  rect 1.55x1.55 hole 1 paste-1000 mask+0: 1(-3.81,-2.1)
  round 1.55 hole 1 paste-1000 mask+0: 2(-1.27,-2.1) 3(1.27,-2.1) 4(3.81,-2.1)
  silkscreen extent -6.52,-3.13 5.92,3.13, body extent -6.02,-3.22 6.02,3.22, height 0.25
FP-C0805C-DN-MFG [mm]
  rect 0.95x1.35 smd paste+0 mask+0: 1(-0.75,0) 2(0.75,0)
  silkscreen extent -1.1,-1.07 1.1,1.07, body extent -1.4,-0.85 1.4,0.85, height 0.25
FP-ECQ-E2224JFW-MFG [mm]
  rect 1.3x1.3 hole 0.8 paste-1000 mask+0: 1(-5,0)
  round 1.3 hole 0.8 paste-1000 mask+0: 2(5,0)
  silkscreen extent -6,-2.75 6,2.75, body extent -6.1,-2.85 6.1,2.85, height 0.25
FP-GRM21B-0_1-IPC_C [mm]
  rect 0.958x1.262 smd paste+0 mask+0: 1(-0.727,0) 2(0.727,0)
  silkscreen extent -1.21,-1.07 1.21,1.07, body extent -1.31,-0.77 1.31,0.77, height 0.25
FP-RT0805-IPC_C [mm]
  rect 0.808x1.262 smd paste+0 mask+0: 1(-0.802,0) 2(0.802,0)
  silkscreen extent -1.21,-1.07 1.21,1.07, body extent -1.31,-0.77 1.31,0.77, height 0.25
FP-RT0805-MFG [mm]
  rect 0.9x1.2 smd paste+0 mask+0: 1(-1.05,0) 2(1.05,0)
  silkscreen extent -0.23,-0.67 0.23,0.67, body extent -1.6,-0.77 1.6,0.77, height 0.25
FP-SF-MFG [mm]
  rect 4x2 smd paste+0 mask+0: 1(-3.55,0) 2(3.55,0)
  silkscreen extent -6.27,-4.25 4.25,4.25, body extent -5.8,-4.5 5.8,4.5, height 0.25
FP-SMA-MFG [mm]
  rect 2.5x1.7 smd paste+0 mask+0: 1(-2,0) 2(2,0)
  silkscreen extent -3.92,-1.46 2.3,1.46, body extent -3.35,-1.56 3.35,1.56, height 0.25
FP-SOD323-MFG [mm]
  rect 0.6x0.6 smd paste-1000 mask+0: 1(-1.1,0) 2(1.1,0)
  silkscreen extent -2.12,-0.67 0.43,0.67, body extent -1.53,-0.82 1.53,0.82, height 0.25
Jumper_2.54 [mil]
  round 60 hole 30: 1(0,0) 2(98.43,0)
  silkscreen extent -50,-50 150,50
LQFP48-7x7mm [mm]
  rect 1.194x0.305 smd paste+0 mask+0: 1(-4.25,2.75) 2(-4.25,2.25) 3(-4.25,1.75) 4(-4.25,1.25) 5(-4.25,0.75) 6(-4.25,0.25) 7(-4.25,-0.25) 8(-4.25,-0.75) 9(-4.25,-1.25) 10(-4.25,-1.75) 11(-4.25,-2.25) 12(-4.25,-2.75) 25(4.25,-2.75) 26(4.25,-2.25) 27(4.25,-1.75) 28(4.25,-1.25) 29(4.25,-0.75) 30(4.25,-0.25) 31(4.25,0.25) 32(4.25,0.75) 33(4.25,1.25) 34(4.25,1.75) 35(4.25,2.25) 36(4.25,2.75)
  rect 0.305x1.194 smd paste+0 mask+0: 13(-2.75,-4.25) 14(-2.25,-4.25) 15(-1.75,-4.25) 16(-1.25,-4.25) 17(-0.75,-4.25) 18(-0.25,-4.25) 19(0.25,-4.25) 20(0.75,-4.25) 21(1.25,-4.25) 22(1.75,-4.25) 23(2.25,-4.25) 24(2.75,-4.25) 37(2.75,4.25) 38(2.25,4.25) 39(1.75,4.25) 40(1.25,4.25) 41(0.75,4.25) 42(0.25,4.25) 43(-0.25,4.25) 44(-0.75,4.25) 45(-1.25,4.25) 46(-1.75,4.25) 47(-2.25,4.25) 48(-2.75,4.25)
  silkscreen extent -5.43,-5.35 5.35,5.35, body extent -4.5,-4.5 4.5,4.5, height 1.6
"MKP 100nF 275VAC" [mm]
  round 1.8 hole 0.9: 1(-5,0) 2(5,0)
  silkscreen extent -6.48,-2.54 6.48,2.67, body extent -6.5,-2.5 6.5,2.5, height 11.55
RES-2512 [mm]
  rect 1.8x1.45 smd: 1(-3.275,-1.225) 1(-3.275,1.225) 2(3.275,-1.225) 2(3.275,1.225)
  silkscreen extent -4.28,-2.05 4.25,2.05, body extent -3.2,-1.6 3.2,1.6, height 0.6
RES-3921 [mm]
  rect 2.75x6.2 smd: 1(-4.2,0) 2(4.2,0)
  silkscreen extent -5.8,-3.3 5.8,3.3, body extent -5,-2.6 5,2.6, height 0.83
SMTC-TSW-104-08-X-S [mm] ".025 SQ Post Terminal Strip Assembly, 1x4 Pins, Vertical, 2.54mm Pitch, Male"
  rect 1.55x1.55 hole 1.02: 1(0,0)
  round 1.55 hole 1.02: 2(2.54,0) 3(5.08,0) 4(7.62,0)
  silkscreen extent -1.46,-1.27 9.08,1.27, body extent -1.27,-1.27 8.89,1.27, height 8.38
SOIC8_INF-L [mm]
  rect 1.67x0.508 smd paste+0 mask+0: 1(-2.414,1.905) 2(-2.414,0.635) 3(-2.414,-0.635) 4(-2.414,-1.905) 5(2.414,-1.905) 6(2.414,-0.635) 7(2.414,0.635) 8(2.414,1.905)
  silkscreen extent -2.12,-2.63 2.12,2.63, body extent -3.1,-2.5 3.1,2.5, height 1.76
SOIC127P600X175-8N [mm]
  rect 1.525x0.65 smd: 1(-2.712,1.905) 2(-2.712,0.635) 3(-2.712,-0.635) 4(-2.712,-1.905) 5(2.712,-1.905) 6(2.712,-0.635) 7(2.712,0.635) 8(2.712,1.905)
  silkscreen extent -3.47,-2.45 1.6,2.58, body extent -3,-2.45 3,2.45, height 1.75
SOT-23-5 [mm]
  rect 0.9x0.65 smd: 1(-1.2,0.95) 2(-1.2,0) 3(-1.2,-0.95) 4(1.2,-0.95) 5(1.2,0.95)
  silkscreen extent -1.32,-1.55 0.35,1.95, body extent -1.4,-1.45 1.4,1.45, height 1.24
Sullins_SWR25X-NRTC-S06-ST-BA_MFG [mm]
  rect 1.55x1.55 hole 1 paste-1000 mask+0: 1(-6.35,0.3)
  round 1.55 hole 1 paste-1000 mask+0: 2(-3.81,0.3) 3(-1.27,0.3) 4(1.27,0.3) 5(3.81,0.3) 6(6.35,0.3)
  silkscreen extent -7.8,-3.68 7.8,3.05, body extent -7.9,-3.15 7.9,3.15, height 0.25
Test_Point [mil]
  round 90 hole 30 unplated paste+4 mask+4: 1(0,0)
TO-220(bend_rad) [mil]
  oval 60x80 / inner oval 75x90 / far side oval 80x100 hole 40: 1(-85,-400) 2(15,-400) 3(115,-400)
  round 120 hole 60: 2(10,-185)
  body extent -285,-481 306,-50, height 994
TO-264-3 [mil]
  round 140 hole 55: 1(-210,-25) 2(0,-25) 3(210,-25)
  silkscreen extent -395,-140 400,115, body extent -394,-138 394,59, height 1262
WE-PD2_1054 [mm] "SMD Power Inductor, 2-Leads, body 10x9mm"
  rect 3.75x9.5 smd: 1(-1273.125,-1270) 2(-1266.875,-1270)
  silkscreen extent -1275.62,-1270.12 -1275.37,-1269.88, body extent -1275.04,-1274.5 -1264.96,-1265.5, height 5.43
Yageo_RC0805_IPC_A [mm]
  rect 1.157x1.508 smd paste+0 mask+0: 1(-1.076,0) 2(1.076,0)
  silkscreen extent -0.12,-0.63 0.12,0.63, body extent -2.15,-1.25 2.15,1.25, height 0.25
Yageo_RC0805_IPC_C [mm]
  rect 0.757x1.308 smd paste+0 mask+0: 1(-0.876,0) 2(0.876,0)
  silkscreen extent -0.12,-0.63 0.12,0.63, body extent -1.35,-0.8 1.35,0.8, height 0.25